# Allegro board OPT8241-CDK-EVM SB REV2P0V1.brd (continued)
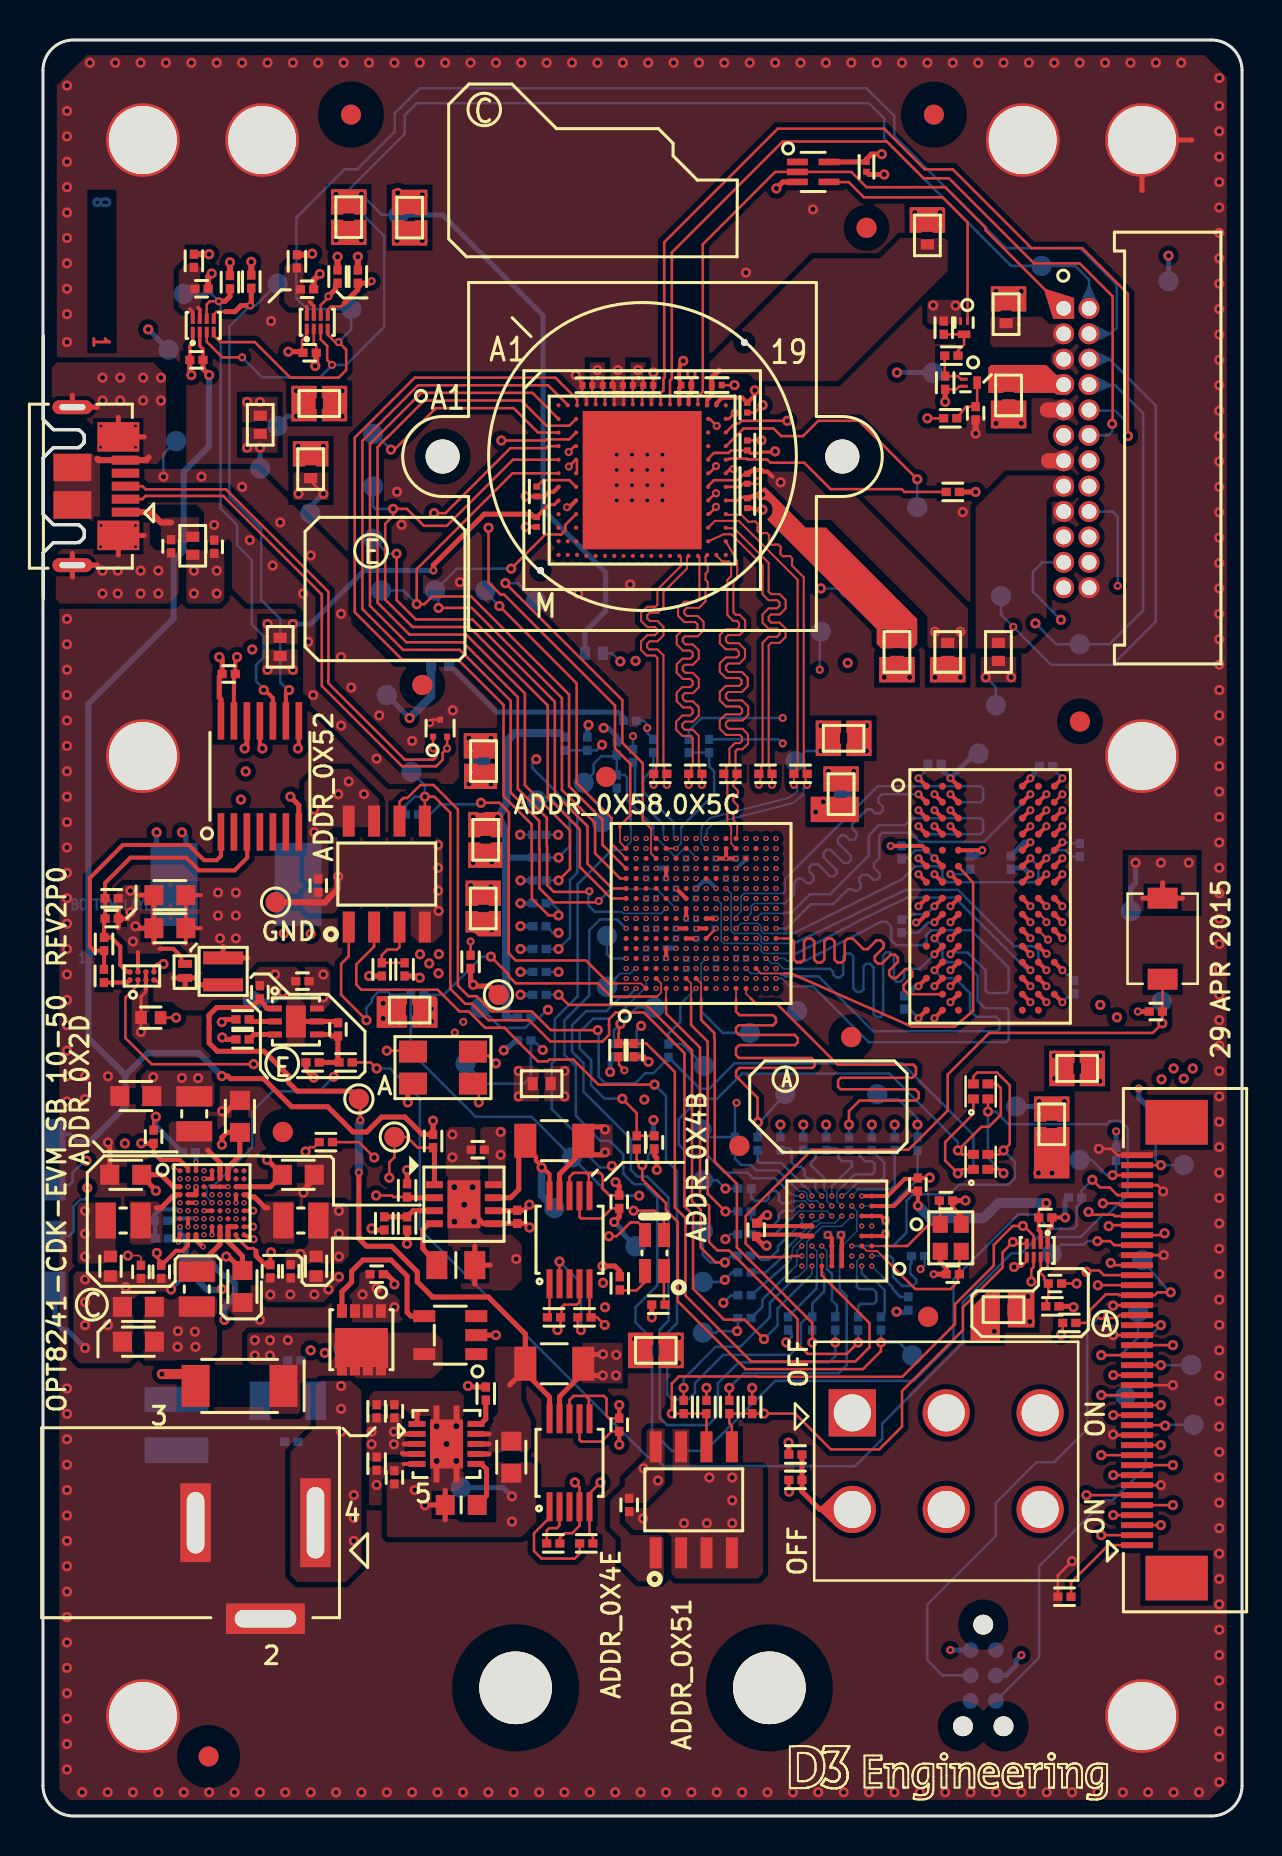
[diagram p0: board, top side]
## Footprints (pads in the part's own frame, mm; a bottom-side part is the same pattern mirrored in y, then rotated)
1051640001
  rect 0.45x1.38 smd: 1(1.3,4.11) 2(0.65,4.11) 3(0,4.11) 4(-0.65,4.11) 5(-1.3,4.11)
  rect 1.475x2.1 smd: 6(-2.463,3.75) 11(2.463,3.75)
  oval 0.7x2 hole 0.3x1.3: 7(-3.95,1.45) 10(3.95,1.45)
  rect 1.375x1.9 smd: 8(-0.938,1.45) 9(0.938,1.45)
BGA56C50P8X8_500X500X100A_CUS
  round 0.254 smd: 1A(-1.75,1.75) 1B(-1.75,1.25) 1C(-1.75,0.75) 1D(-1.75,0.25) 1E(-1.75,-0.25) 1F(-1.75,-0.75) 1G(-1.75,-1.25) 1H(-1.75,-1.75) 2A(-1.25,1.75) 2B(-1.25,1.25) 2C(-1.25,0.75) 2D(-1.25,0.25) 2E(-1.25,-0.25) 2F(-1.25,-0.75) 2G(-1.25,-1.25) 2H(-1.25,-1.75) 3A(-0.75,1.75) 3B(-0.75,1.25) 3C(-0.75,0.75) 3F(-0.75,-0.75) 3G(-0.75,-1.25) 3H(-0.75,-1.75) 4A(-0.25,1.75) 4B(-0.25,1.25) 4C(-0.25,0.75) 4F(-0.25,-0.75) 4G(-0.25,-1.25) 4H(-0.25,-1.75) 5A(0.25,1.75) 5B(0.25,1.25) 5C(0.25,0.75) 5F(0.25,-0.75) 5G(0.25,-1.25) 5H(0.25,-1.75) 6A(0.75,1.75) 6B(0.75,1.25) 6C(0.75,0.75) 6F(0.75,-0.75) 6G(0.75,-1.25) 6H(0.75,-1.75) 7A(1.25,1.75) 7B(1.25,1.25) 7C(1.25,0.75) 7D(1.25,0.25) 7E(1.25,-0.25) 7F(1.25,-0.75) 7G(1.25,-1.25) 7H(1.25,-1.75) 8A(1.75,1.75) 8B(1.75,1.25) 8C(1.75,0.75) 8D(1.75,0.25) 8E(1.75,-0.25) 8F(1.75,-0.75) 8G(1.75,-1.25) 8H(1.75,-1.75)
BGA81C40P9X9_360X360X63A
  round 0.254 smd: A1(-1.6,1.6) A2(-1.2,1.6) A3(-0.8,1.6) A4(-0.4,1.6) A5(0,1.6) A6(0.4,1.6) A7(0.8,1.6) A8(1.2,1.6) A9(1.6,1.6) B1(-1.6,1.2) B2(-1.2,1.2) B3(-0.8,1.2) B4(-0.4,1.2) B5(0,1.2) B6(0.4,1.2) B7(0.8,1.2) B8(1.2,1.2) B9(1.6,1.2) C1(-1.6,0.8) C2(-1.2,0.8) C3(-0.8,0.8) C4(-0.4,0.8) C5(0,0.8) C6(0.4,0.8) C7(0.8,0.8) C8(1.2,0.8) C9(1.6,0.8) D1(-1.6,0.4) D2(-1.2,0.4) D3(-0.8,0.4) D4(-0.4,0.4) D5(0,0.4) D6(0.4,0.4) D7(0.8,0.4) D8(1.2,0.4) D9(1.6,0.4) E1(-1.6,0) E2(-1.2,0) E3(-0.8,0) E4(-0.4,0) E5(0,0) E6(0.4,0) E7(0.8,0) E8(1.2,0) E9(1.6,0) F1(-1.6,-0.4) F2(-1.2,-0.4) F3(-0.8,-0.4) F4(-0.4,-0.4) F5(0,-0.4) F6(0.4,-0.4) F7(0.8,-0.4) F8(1.2,-0.4) F9(1.6,-0.4) G1(-1.6,-0.8) G2(-1.2,-0.8) G3(-0.8,-0.8) G4(-0.4,-0.8) G5(0,-0.8) G6(0.4,-0.8) G7(0.8,-0.8) G8(1.2,-0.8) G9(1.6,-0.8) H1(-1.6,-1.2) H2(-1.2,-1.2) H3(-0.8,-1.2) H4(-0.4,-1.2) H5(0,-1.2) H6(0.4,-1.2) H7(0.8,-1.2) H8(1.2,-1.2) H9(1.6,-1.2) J1(-1.6,-1.6) J2(-1.2,-1.6) J3(-0.8,-1.6) J4(-0.4,-1.6) J5(0,-1.6) J6(0.4,-1.6) J7(0.8,-1.6) J8(1.2,-1.6) J9(1.6,-1.6)
BGA84N80P6X15_1250X800X120
  round 0.35 smd: A1(-3.2,5.6) A2(-2.4,5.6) A3(-1.6,5.6) A7(1.6,5.6) A8(2.4,5.6) A9(3.2,5.6) B1(-3.2,4.8) B2(-2.4,4.8) B3(-1.6,4.8) B7(1.6,4.8) B8(2.4,4.8) B9(3.2,4.8) C1(-3.2,4) C2(-2.4,4) C3(-1.6,4) C7(1.6,4) C8(2.4,4) C9(3.2,4) D1(-3.2,3.2) D2(-2.4,3.2) D3(-1.6,3.2) D7(1.6,3.2) D8(2.4,3.2) D9(3.2,3.2) E1(-3.2,2.4) E2(-2.4,2.4) E3(-1.6,2.4) E7(1.6,2.4) E8(2.4,2.4) E9(3.2,2.4) F1(-3.2,1.6) F2(-2.4,1.6) F3(-1.6,1.6) F7(1.6,1.6) F8(2.4,1.6) F9(3.2,1.6) G1(-3.2,0.8) G2(-2.4,0.8) G3(-1.6,0.8) G7(1.6,0.8) G8(2.4,0.8) G9(3.2,0.8) H1(-3.2,0) H2(-2.4,0) H3(-1.6,0) H7(1.6,0) H8(2.4,0) H9(3.2,0) J1(-3.2,-0.8) J2(-2.4,-0.8) J3(-1.6,-0.8) J7(1.6,-0.8) J8(2.4,-0.8) J9(3.2,-0.8) K2(-2.4,-1.6) K3(-1.6,-1.6) K7(1.6,-1.6) K8(2.4,-1.6) K9(3.2,-1.6) L1(-3.2,-2.4) L2(-2.4,-2.4) L3(-1.6,-2.4) L7(1.6,-2.4) L8(2.4,-2.4) M2(-2.4,-3.2) M3(-1.6,-3.2) M7(1.6,-3.2) M8(2.4,-3.2) M9(3.2,-3.2) N1(-3.2,-4) N2(-2.4,-4) N3(-1.6,-4) N7(1.6,-4) N8(2.4,-4) P2(-2.4,-4.8) P3(-1.6,-4.8) P7(1.6,-4.8) P8(2.4,-4.8) P9(3.2,-4.8) R1(-3.2,-5.6) R2(-2.4,-5.6) R3(-1.6,-5.6) R7(1.6,-5.6) R8(2.4,-5.6)
BGA256C50P16X16_900X900X120A
  round 0.254 smd: A1(-3.75,3.75) A2(-3.25,3.75) A3(-2.75,3.75) A4(-2.25,3.75) A5(-1.75,3.75) A6(-1.25,3.75) A7(-0.75,3.75) A8(-0.25,3.75) A9(0.25,3.75) A10(0.75,3.75) A11(1.25,3.75) A12(1.75,3.75) A13(2.25,3.75) A14(2.75,3.75) A15(3.25,3.75) A16(3.75,3.75) B1(-3.75,3.25) B2(-3.25,3.25) B3(-2.75,3.25) B4(-2.25,3.25) B5(-1.75,3.25) B6(-1.25,3.25) B7(-0.75,3.25) B8(-0.25,3.25) B9(0.25,3.25) B10(0.75,3.25) B11(1.25,3.25) B12(1.75,3.25) B13(2.25,3.25) B14(2.75,3.25) B15(3.25,3.25) B16(3.75,3.25) C1(-3.75,2.75) C2(-3.25,2.75) C3(-2.75,2.75) C4(-2.25,2.75) C5(-1.75,2.75) C6(-1.25,2.75) C7(-0.75,2.75) C8(-0.25,2.75) C9(0.25,2.75) C10(0.75,2.75) C11(1.25,2.75) C12(1.75,2.75) C13(2.25,2.75) C14(2.75,2.75) C15(3.25,2.75) C16(3.75,2.75) D1(-3.75,2.25) D2(-3.25,2.25) D3(-2.75,2.25) D4(-2.25,2.25) D5(-1.75,2.25) D6(-1.25,2.25) D7(-0.75,2.25) D8(-0.25,2.25) D9(0.25,2.25) D10(0.75,2.25) D11(1.25,2.25) D12(1.75,2.25) D13(2.25,2.25) D14(2.75,2.25) D15(3.25,2.25) D16(3.75,2.25) E1(-3.75,1.75) E2(-3.25,1.75) E3(-2.75,1.75) E4(-2.25,1.75) E5(-1.75,1.75) E6(-1.25,1.75) E7(-0.75,1.75) E8(-0.25,1.75) E9(0.25,1.75) E10(0.75,1.75) E11(1.25,1.75) E12(1.75,1.75) E13(2.25,1.75) E14(2.75,1.75) E15(3.25,1.75) E16(3.75,1.75) F1(-3.75,1.25) F2(-3.25,1.25) F3(-2.75,1.25) F4(-2.25,1.25) F5(-1.75,1.25) F6(-1.25,1.25) F7(-0.75,1.25) F8(-0.25,1.25) F9(0.25,1.25) F10(0.75,1.25) F11(1.25,1.25) F12(1.75,1.25) F13(2.25,1.25) F14(2.75,1.25) F15(3.25,1.25) F16(3.75,1.25) G1(-3.75,0.75) G2(-3.25,0.75) G3(-2.75,0.75) G4(-2.25,0.75) G5(-1.75,0.75) G6(-1.25,0.75) G7(-0.75,0.75) G8(-0.25,0.75) G9(0.25,0.75) G10(0.75,0.75) G11(1.25,0.75) G12(1.75,0.75) G13(2.25,0.75) G14(2.75,0.75) G15(3.25,0.75) G16(3.75,0.75) H1(-3.75,0.25) H2(-3.25,0.25) H3(-2.75,0.25) H4(-2.25,0.25) H5(-1.75,0.25) H6(-1.25,0.25) H7(-0.75,0.25) H8(-0.25,0.25) H9(0.25,0.25) H10(0.75,0.25) H11(1.25,0.25) H12(1.75,0.25) H13(2.25,0.25) H14(2.75,0.25) H15(3.25,0.25) H16(3.75,0.25) J1(-3.75,-0.25) J2(-3.25,-0.25) J3(-2.75,-0.25) J4(-2.25,-0.25) J5(-1.75,-0.25) J6(-1.25,-0.25) J7(-0.75,-0.25) J8(-0.25,-0.25) J9(0.25,-0.25) J10(0.75,-0.25) J11(1.25,-0.25) J12(1.75,-0.25) J13(2.25,-0.25) J14(2.75,-0.25) J15(3.25,-0.25) J16(3.75,-0.25) K1(-3.75,-0.75) K2(-3.25,-0.75) K3(-2.75,-0.75) K4(-2.25,-0.75) K5(-1.75,-0.75) K6(-1.25,-0.75) K7(-0.75,-0.75) K8(-0.25,-0.75) K9(0.25,-0.75) K10(0.75,-0.75) K11(1.25,-0.75) K12(1.75,-0.75) K13(2.25,-0.75) K14(2.75,-0.75) K15(3.25,-0.75) K16(3.75,-0.75) L1(-3.75,-1.25) L2(-3.25,-1.25) L3(-2.75,-1.25) L4(-2.25,-1.25) L5(-1.75,-1.25) L6(-1.25,-1.25) L7(-0.75,-1.25) L8(-0.25,-1.25) L9(0.25,-1.25) L10(0.75,-1.25) L11(1.25,-1.25) L12(1.75,-1.25) L13(2.25,-1.25) L14(2.75,-1.25) L15(3.25,-1.25) L16(3.75,-1.25) M1(-3.75,-1.75) M2(-3.25,-1.75) M3(-2.75,-1.75) M4(-2.25,-1.75) M5(-1.75,-1.75) M6(-1.25,-1.75) M7(-0.75,-1.75) M8(-0.25,-1.75) M9(0.25,-1.75) M10(0.75,-1.75) M11(1.25,-1.75) M12(1.75,-1.75) M13(2.25,-1.75) M14(2.75,-1.75) M15(3.25,-1.75) M16(3.75,-1.75) N1(-3.75,-2.25) N2(-3.25,-2.25) N3(-2.75,-2.25) N4(-2.25,-2.25) N5(-1.75,-2.25) N6(-1.25,-2.25) N7(-0.75,-2.25) N8(-0.25,-2.25) N9(0.25,-2.25) N10(0.75,-2.25) N11(1.25,-2.25) N12(1.75,-2.25) N13(2.25,-2.25) N14(2.75,-2.25) N15(3.25,-2.25) N16(3.75,-2.25) P1(-3.75,-2.75) P2(-3.25,-2.75) P3(-2.75,-2.75) P4(-2.25,-2.75) P5(-1.75,-2.75) P6(-1.25,-2.75) P7(-0.75,-2.75) P8(-0.25,-2.75) P9(0.25,-2.75) P10(0.75,-2.75) P11(1.25,-2.75) P12(1.75,-2.75) P13(2.25,-2.75) P14(2.75,-2.75) P15(3.25,-2.75) P16(3.75,-2.75) R1(-3.75,-3.25) R2(-3.25,-3.25) R3(-2.75,-3.25) R4(-2.25,-3.25) R5(-1.75,-3.25) R6(-1.25,-3.25) R7(-0.75,-3.25) R8(-0.25,-3.25) R9(0.25,-3.25) R10(0.75,-3.25) R11(1.25,-3.25) R12(1.75,-3.25) R13(2.25,-3.25) R14(2.75,-3.25) R15(3.25,-3.25) R16(3.75,-3.25) T1(-3.75,-3.75) T2(-3.25,-3.75) T3(-2.75,-3.75) T4(-2.25,-3.75) T5(-1.75,-3.75) T6(-1.25,-3.75) T7(-0.75,-3.75) T8(-0.25,-3.75) T9(0.25,-3.75) T10(0.75,-3.75) T11(1.25,-3.75) T12(1.75,-3.75) T13(2.25,-3.75) T14(2.75,-3.75) T15(3.25,-3.75) T16(3.75,-3.75)
CC0201
  rect 0.46x0.42 smd: 1(-0.33,0) 2(0.33,0)
CC0402
  rect 0.58x0.66 smd: 1(-0.49,0) 2(0.49,0)
CC0603
  rect 0.95x1 smd: 1(-0.8,0) 2(0.8,0)
CT7360-20
  rect 2.35x4.15 smd: 1(-3.1,0) 2(3.1,0)
DC005A
  rect 3.937x1.524 hole 3.076x0.876: 2(11,-4.8)
  rect 1.524x3.937 hole 0.876x3.076: 3(7.5,0)
  rect 1.524x4.445 hole 0.876x3.576: 4(13.5,0)
DFN100X60X35-3N
  rect 0.38x0.15 smd: 1(-0.33,0.175) 2(-0.33,-0.175)
  rect 0.38x0.63 smd: 3(0.33,0)
DIO_SOD128
  rect 1.4x2.1 smd: 1(-2.2,0) 2(2.2,0)
DIO_SOD882
  rect 0.4x0.7 smd: A(0.35,0) K(-0.35,0)
EXB-24VR000X
  rect 0.55x0.45 smd: 1(-0.363,-0.375) 2(0.363,-0.375) 3(0.363,0.375) 4(-0.363,0.375)
INA226
  rect 1.45x0.3 smd: 1(-2.2,1) 2(-2.2,0.5) 3(-2.2,0) 4(-2.2,-0.5) 5(-2.2,-1) 6(2.2,-1) 7(2.2,-0.5) 8(2.2,0) 9(2.2,0.5) 10(2.2,1)
IND_VLS2012E
  rect 0.65x2 smd: 1(-0.675,0) 2(0.675,0)
INDC0402
  rect 0.51x0.66 smd: 1(-0.45,0) 2(0.45,0)
INDC0805
  rect 1.016x1.8 smd: 1(-0.875,0) 2(0.875,0)
INDC1206
  rect 1.02x1.93 smd: 1(-1.4,0) 2(1.4,0)
LED_APHBM2012QBDSURKC
  rect 1.2x0.6 smd: 1(0.9,0.475) 2(-0.9,0.475) 3(-0.9,-0.475) 4(0.9,-0.475)
LED_CLVBA-FKA-CAEDH8BBB7A363
  rect 1.4x1.1 smd: 1(-1.5,0.8) 2(-1.5,-0.8) 3(1.5,-0.8) 4(1.5,0.8)
LMR70503_DSBGA
  round 0.279 smd: A1(-0.2,0.6) A2(0.2,0.6) B1(-0.2,0.2) B2(0.2,0.2) C1(-0.2,-0.2) C2(0.2,-0.2) D1(-0.2,-0.6) D2(0.2,-0.6)
NPTH_118
  round 3.683 hole 3.404: 1(0,0)
OPT8241_DS_2V4
  round 0.21 smd: (-3.72,-3.06) A1(-4.185,3.74) A2(-3.72,3.74) A3(-3.255,3.74) A4(-2.79,3.79) A5(-2.325,3.79) A6(-1.86,3.79) A7(-1.395,3.79) A8(-0.93,3.79) A9(-0.465,3.79) A10(0,3.79) A11(0.465,3.79) A12(0.93,3.79) A13(1.395,3.79) A14(1.86,3.79) A15(2.325,3.79) A16(2.79,3.79) A17(3.255,3.74) A18(3.72,3.74) A19(4.185,3.74) B1(-4.185,3.06) B3(-3.305,3.06) B17(3.305,3.06) B19(4.185,3.06) C1(-4.185,2.38) C3(-3.305,2.38) C17(3.305,2.38) C19(4.185,2.38) D1(-4.185,1.7) D3(-3.305,1.7) D17(3.305,1.7) D19(4.185,1.7) E1(-4.185,1.02) E3(-3.305,1.02) E17(3.305,1.02) E19(4.185,1.02) F1(-4.185,0.34) F3(-3.305,0.34) F17(3.305,0.34) F19(4.185,0.34) G1(-4.185,-0.34) G3(-3.305,-0.34) G17(3.305,-0.34) G19(4.185,-0.34) H1(-4.185,-1.02) H3(-3.305,-1.02) H17(3.305,-1.02) H19(4.185,-1.02) J1(-4.185,-1.7) J3(-3.305,-1.7) J17(3.305,-1.7) J19(4.185,-1.7) K1(-4.185,-2.38) K3(-3.305,-2.38) K17(3.305,-2.38) K19(4.185,-2.38) L1(-4.185,-3.06) L3(-3.305,-3.06) L17(3.305,-3.06) L19(4.185,-3.06) M1(-4.185,-3.74) M2(-3.72,-3.74) M3(-3.255,-3.74) M4(-2.79,-3.79) M5(-2.325,-3.79) M6(-1.86,-3.79) M7(-1.395,-3.79) M8(-0.93,-3.79) M9(-0.465,-3.79) M10(0,-3.79) M11(0.465,-3.79) M12(0.93,-3.79) M13(1.395,-3.79) M14(1.86,-3.79) M15(2.325,-3.79) M16(2.79,-3.79) M17(3.255,-3.74) M18(3.72,-3.74) M19(4.185,-3.74)
  rect 5.95x6.913 smd: (0,0)
P_CC0201
  rect 0.305x0.33 smd: 1(-0.247,0) 2(0.247,0)
PCA9306DQER
  rect 0.2x0.53 smd: 1(-0.525,-0.335) 2(-0.175,-0.335) 3(0.175,-0.335) 4(0.525,-0.335) 5(0.525,0.335) 6(0.175,0.335) 7(-0.175,0.335) 8(-0.525,0.335)
R0201
  rect 0.46x0.42 smd: 1(-0.33,0) 2(0.33,0)
R0603
  rect 0.95x1 smd: 1(-0.8,0) 2(0.8,0)
R0805
  rect 1.05x1.4 smd: 1(-0.95,0) 2(0.95,0)
R1206
  rect 1.1x1.7 smd: 1(-1.45,0) 2(1.45,0)
SAMTEC_SHF-112-01-L-D-RA
  rect 1.05x1.05 hole 0.74: 1(0,0)
  round 1.05 hole 0.74: 2(0,1.27) 3(1.27,0) 4(1.27,1.27) 5(2.54,0) 6(2.54,1.27) 7(3.81,0) 8(3.81,1.27) 9(5.08,0) 10(5.08,1.27) 11(6.35,0) 12(6.35,1.27) 13(7.62,0) 14(7.62,1.27) 15(8.89,0) 16(8.89,1.27) 17(10.16,0) 18(10.16,1.27) 19(11.43,0) 20(11.43,1.27) 21(12.7,0) 22(12.7,1.27) 23(13.97,0) 24(13.97,1.27)
SAMTEC_TSM-102-01-T-SH
  rect 1.27x3.18 smd: 1(1.27,5.08) 2(-1.27,5.08)
SOIC127P600X175-8N
  rect 1.549x0.599 smd: 1(-2.65,1.905) 2(-2.65,0.635) 3(-2.65,-0.635) 4(-2.65,-1.905) 5(2.65,-1.905) 6(2.65,-0.635) 7(2.65,0.635) 8(2.65,1.905)
SON6
  rect 0.3x0.7 smd: 1(-0.65,-1.05) 2(0,-1.05) 3(0.65,-1.05) 4(0.65,1.05) 5(0,1.05) 6(-0.65,1.05)
  rect 1.6x1 smd: 7(0,0)
SON_CSD17578Q3A
  rect 0.68x0.5 smd: 1(-1.435,0.975) 2(-1.435,0.325) 3(-1.435,-0.325) 4(-1.435,-0.975) 5(1.435,-0.975) 6(1.435,-0.325) 7(1.435,0.325) 8(1.435,0.975)
SOP65P580X120-14
  rect 1.88x0.33 smd: 1(-2.777,1.95) 2(-2.777,1.3) 3(-2.777,0.65) 4(-2.777,0) 5(-2.777,-0.65) 6(-2.777,-1.3) 7(-2.777,-1.95) 8(2.777,-1.95) 9(2.777,-1.3) 10(2.777,-0.65) 11(2.777,0) 12(2.777,0.65) 13(2.777,1.3) 14(2.777,1.95)
SOT35P100X50-3N
  rect 0.3x0.3 smd: 1(-0.425,0.35) 2(-0.425,-0.35) 3(0.425,0)
SOT553
  rect 0.33x1.041 smd: 1(-0.5,-0.792) 2(0,-0.792) 3(0.5,-0.792) 4(0.5,0.792) 5(-0.5,0.792)
SOT-23-5
  rect 1.1x0.6 smd: 1(-1.3,0.95) 2(-1.3,0) 3(-1.3,-0.95) 4(1.3,-0.95) 5(1.3,0.95)
T521001
  rect 2.362x2.362 hole 1.854: 1(-4.7,2.415)
  round 2.362 hole 1.854: 2(0,2.415) 3(4.7,2.415) 4(-4.7,-2.415) 5(0,-2.415) 6(4.7,-2.415)
TAG-CONNECT_TC2030-IDC-NL
  round 0.991 hole 0.991 unplated: (-2.54,0) (2.54,-1.015) (2.54,1.015)
  round 0.787 smd: 1(-1.27,-0.635) 2(-1.27,0.635) 3(0,-0.635) 4(0,0.635) 5(1.27,-0.635) 6(1.27,0.635)
TL1015
  rect 1.05x1.5 smd: 1(-2.025,0) 2(2.025,0)
TP_20MIL_4
  rect 1.524x1.016 smd: 1(0,0) 2(2.54,0) 3(5.08,0) 4(7.62,0)
TP_40MIL
  round 1.016 smd: 1(0,0)
TPS2115A
  rect 0.85x0.35 smd: 1(-1.475,0.975) 2(-1.475,0.325) 3(-1.475,-0.325) 4(-1.475,-0.975) 5(1.475,-0.975) 6(1.475,-0.325) 7(1.475,0.325) 8(1.475,0.975)
  rect 1.65x2.4 smd: 9(0,0)
TPS2559
  rect 0.3x0.85 smd: 1(-1,-1.475) 2(-0.5,-1.475) 3(0,-1.475) 4(0.5,-1.475) 5(1,-1.475) 6(1,1.475) 7(0.5,1.475) 8(0,1.475) 9(-0.5,1.475) 10(-1,1.475)
  custom 3.85x1.65 smd: 11(0,0)
unnamed#2
  round 1.016 smd: (0,0)
unnamed#3
  round 1.702 hole 1.702 unplated: (-10,0) (10,0)
unnamed#4
  round 0.35 hole 0.6 unplated: (-5.1,-5.7) (5.1,5.7)
unnamed#5
  round 3.632 hole 3.632 unplated: (5.079,6.349) (17.779,6.349)
XTAL200X160X55
  rect 0.75x0.85 smd: 1(-0.525,0.675) 2(-0.525,-0.675) 3(0.525,-0.675) 4(0.525,0.675)
ZF5S-40-01-T-WT
  rect 2.24x3.12 smd: (-11.4,3.25) (11.394,3.25)
  rect 0.3x1.6 smd: 1(-9.75,5.23) 2(-9.25,5.23) 3(-8.75,5.23) 4(-8.25,5.23) 5(-7.75,5.23) 6(-7.25,5.23) 7(-6.75,5.23) 8(-6.25,5.23) 9(-5.75,5.23) 10(-5.25,5.23) 11(-4.75,5.23) 12(-4.25,5.23) 13(-3.75,5.23) 14(-3.25,5.23) 15(-2.75,5.23) 16(-2.25,5.23) 17(-1.75,5.23) 18(-1.25,5.23) 19(-0.75,5.23) 20(-0.25,5.23) 21(0.25,5.23) 22(0.75,5.23) 23(1.25,5.23) 24(1.75,5.23) 25(2.25,5.23) 26(2.75,5.23) 27(3.25,5.23) 28(3.75,5.23) 29(4.25,5.23) 30(4.75,5.23) 31(5.25,5.23) 32(5.75,5.23) 33(6.25,5.23) 34(6.75,5.23) 35(7.25,5.23) 36(7.75,5.23) 37(8.25,5.23) 38(8.75,5.23) 39(9.25,5.23) 40(9.75,5.23)

## Nets
GND: C1.2 C2.2 C5.2 C6.2 C7.2 C14.2 C16.1 C19.1 C20.2 C25.2 C26.2 C30.2 C31.2 C46.2 C87.2 J1.5(15) J1.9(17) J1.13(19) J1.17(21) J1.24(12) J2.7 J2.12 J2.17 J2.22 J2.25 J2.30 J2.37 J2.40 J3.2 J3.3 J5.2 L1.2 MH1.1 MH2.1 MH3.1 MH4.1 MH5.1 MH6.1 MH7.1 MH8.1 R46.2 U3.A4(GND#A4) U3.A7(GND#A7) U3.A8(GND#A8) U3.A11(GND#A11) U4.5(GND) U4.6(SHIELD1) U4.7(SHIELD2) U4.8(SHIELD3) U4.9(SHIELD4) U4.10(SHIELD5) U4.11(SHIELD6) U9.C1(GND#C1) U9.C2(GND#C2) U11.A5(PGND4#A5) U11.B4(VDCDC4_GND) U11.B5(PGND4#B5) U11.E1(PGND3) U11.E9(PGND2) U11.H5(PGND1) U11.J5(PGDN1)
GND_SIGNAL: C3.2 C4.2 C8.2 C9.2 C10.2 C11.2 C12.2 C13.2 C15.2 C17.2 C21.2 C22.2 C23.2 C24.2 C27.2 C28.2 C29.2 C32.2 C33.1 C34.2 C35.2 C36.2 C37.2 C38.2 C39.2 C40.2 C41.2 C42.2 C43.2 C44.1 C45.2 C47.2 C48.2 C49.2 C50.2 C51.2 C52.2 C53.2 C54.2 C55.2 C56.2 C57.2 C58.2 C59.2 C60.2 C61.2 C62.2 C63.2 C64.2 C65.2 C66.2 C67.2 C68.2 C69.2 C70.2 C71.2 C72.2 C73.2 C74.2 C75.2 C76.2 C77.2 C78.2 C79.2 C80.2 C81.2 C82.2 C83.2 C84.2 C85.2 C86.2 C88.2 C89.2 C90.2 C91.2 C92.2 C93.2 C94.2 C95.2 C96.2 D4.2(ANODE) J4.4 J6.3(5) R12.1 R14.1 R23.2 R24.2 R26.1 R39.1 R43.1 R48.1 R52.2 R62.2 R64.1 R76.2 R98.2 R107.2 R108.2 SW1.1 SW2.1(NC1) TP37.1 TP38.1 TP39.1 TP40.1 TP41.1 TP42.1 TP43.1 TP44.1 TP45.1 TP46.1 U3.A15(GND#A15) U3.E3(AVSS#E3) U3.F3(REFM) U3.F17(AVSS_PLL) U3.G1(IOVSS) U3.G19(DVSS) U3.H3(AVSS#H3) U3.H17(AVSS#H17) U5.3(GND) U6.4(GND) U7.A3(VSS#A3) U7.A7(VSSQ#A7) U7.B2(VSSQ#B2) U7.B8(VSSQ#B8) U7.D2(VSSQ#D2) U7.D8(VSSQ#D8) U7.E3(VSS#E3) U7.E7(VSSQ#E7) U7.F2(VSSQ#F2) U7.F8(VSSQ#F8) U7.H2(VSSQ#H2) U7.H8(VSSQ#H8) U7.J3(VSS#J3) U7.J7(VSSDL) U7.N1(VSS#N1) U7.P9(VSS#P9) U8.A8(RSVD_IN12) U8.A9(RSVD_IN10) U8.B2(GND#B2) U8.B8(RSVD_IN13) U8.B9(RSVD_IN11) U8.B15(GND#B15) U8.C5(GND#C5) U8.C12(GND#C12) U8.D7(GND#D7) U8.D10(GND#D10) U8.E2(GND#E2) U8.E4(GND#E4) U8.E5(GNDA3) U8.E12(GNDA2) U8.E13(GND#E13) U8.F6(GND#F6) U8.F10(GND#F10) U8.G4(GND#G4) U8.G13(GND#G13) U8.H7(GND#H7) U8.H8(GND#H8) U8.H9(GND#H9) U8.H10(GND#H10) U8.H15(GND#H15) U8.H16(GND#H16) U8.J7(GND#J7) U8.J8(GND#J8) U8.J9(GND#J9) U8.J10(GND#J10) U8.J11(GND#J11) U8.K4(GND#K4) U8.K8(GND#K8) U8.K13(GND#K13) U8.M2(RSVD_IN1) U8.M4(GND#M4) U8.M5(GNDA1) U8.M12(GNDA4) U8.M13(GND#M13) U8.N7(GND#N7) U8.N10(GND#N10) U8.P5(GND#P5) U8.P12(GND#P12) U8.R2(GND#R2) U8.R8(RSVD_IN2) U8.R9(RSVD_IN5) U8.R15(GND#R15) U8.T8(RSVD_IN3) U8.T9(RSVD_IN4) U10.5(GND) U10.7(GND_1) U11.C2(EN_LS1) U11.C5(EN4/DCDC4_SEL) U11.C6(EN3/DCDC3_SEL) U11.C7(AGND#C7) U11.D8(EN2/DCDC2_SEL) U11.E2(CONFIG1) U11.E3(DGND) U11.E8(EN1/DCDC1_SEL) U11.F1(VINLDO4) U11.F3(AGND#F3) U11.F4(VCON_PWM) U11.F5(VCON_CLK) U11.G4(SLEEP/PWR_REQ) U11.G8(VINLDO5) U11.H4(VDCDC1_GND) U12.5(GND) U12.9(THM_GND) U13.1F(AGND#1F) U13.1H(GND#1H) U13.2F(AGND#2F) U13.2H(RESERVED) U13.4A(GND#4A) U13.4B(GND#4B) U13.4C(GND#4C) U13.7D(GND#7D) U13.8D(GND#8D) U14.7(GND) U15.1(GND) U16.1(GND) U16.11(PAD) U17.7(GND) U18.2(A1) U18.3(A2) U18.4(GND) U18.7(WP) U19.2(GND) U21.7(A2) U21.8(VSS) U21.11(GND) U21.13(A0) U22.1(GND) U23.1(GND) U24.3(GND) Y1.2 Y1.4
VCC_0V9: B13.1 R76.1 TP63.1 U11.A3(VLDO6)
VCC_1V2: B14.1 B18.1 C25.1 L2.2 TP61.1 U11.A4(VDCDCC4)
VCC_1V5: B26.1 C47.1 C48.1 L5.2 TP56.1 U11.J4(VDCDC1)
VCC_1V8: B9.1 B10.1 B11.1 B12.1 B19.1 B20.1 B23.1 C39.1 C41.1 L4.2 TP58.1 U11.D7(VDCDC2) U11.F7(VDDIO)
VCC_2V5: B15.1 B16.1 B17.1 TP62.1 U11.F9(VLDO3)
VCC_3V3: B3.1 B4.1 B27.1 C38.1 C43.1 L3.2 TP59.1 U11.F2(VDCDC3) U11.F8(VINLDO3) U11.J2(VINLDO1210)
VCC_5V0_ILLUM: J1.11(18) J1.19(22) J1.23(24) R33.1 U17.9(VIN-)
VCC_5V0_MAIN: C20.1 C26.1 C27.1 C30.1 C31.1 C34.1 C40.1 C46.1 C50.1 C96.1 D2.2(ANODE1) R19.1 R95.1 R96.2 R97.2 U9.D2(VIN) U11.A2(VINLDO67) U11.A7(VINDCDC4#A7) U11.B7(VINDCDC4#B7) U11.C1(VINDCDC3) U11.C8(VINDCDC_ANA) U11.C9(VINDCDC2) U11.D6(PWRHOLD_ON) U11.G2(VCCS/VIN_MON_1) U11.H2(VCCS/VIN_MON_2) U11.H7(VINDCDC1_1#H7) U11.H8(VINLDO8) U11.J7(VINDCDC1_1#J7) U11.J8(VINLDO9) U14.6(VS) U14.8(VBUS) U14.9(VIN-) U17.6(VS) U17.8(VBUS)
VCC_5V0_MINUS: B1.1 B7.1 C16.2 C18.1 C19.2 D1.A(ANODE) R10.1 TP51.1 U9.B2(VOUT)
VCC_5V0_MINUS_FSC: B1.2 R3.1 U2.2(SOURCE)
VCC_5V0_MINUS_ILLUM: B7.2 J1.7(16)
VCC_AVDD_OUT_3V3: B2.1 U11.H9(VLDO8)
VCC_DC_JACK: B24.2 C86.1 D4.1(CATHODE) J5.1 U19.5(VIN) U20.5(DRAIN5) U20.6(DRAIN6) U20.7(DRAIN7) U20.8(DRAIN8)
VCC_DC_JACK_5V_IN: C29.1 C49.1 C88.1 R17.2 R25.2 R34.2 R39.2 R41.2 R42.1 U12.8(IN1) U16.2(IN#2) U16.3(IN#3) U16.4(IN#4) U20.1(DRAIN) U20.2(SOURCE) U20.3(DRAIN3)
VCC_DDR2_0V9: B13.2 C72.1 U7.J2(VREF) U8.N12(DDR2_REF_3) U8.P6(DDR2_REF_1) U8.P11(DDR2_REF_2) U8.T3(DDR2_REF_0)
VCC_DDR2_1V8: B19.2 C54.1 C55.1 C56.1 C57.1 C59.1 C60.1 C80.1 C81.1 U7.A1(VDD#A1) U7.A9(VDDQ#A9) U7.C1(VDDQ#C1) U7.C3(VDDQ#C3) U7.C7(VDDQ#C7) U7.C9(VDDQ#C9) U7.E1(VDD#E1) U7.E9(VDDQ#E9) U7.G1(VDDQ#G1) U7.G3(VDDQ#G3) U7.G7(VDDQ#G7) U7.G9(VDDQ#G9) U7.J1(VDDL) U7.J9(VDD#J9) U7.M9(VDD#M9) U7.R1(VDD#R1)
VCC_FX2_1V8: B23.2 C32.1 C36.1 C37.1 C52.1 C84.1 C90.1 C92.1 J4.1 J6.2(3) R20.2 R36.2 R38.2 U13.1G(VCC#1G) U13.5A(VCC#5A) U13.5B(VCC#5B) U13.5C(VCC#5C) U13.7B(WAKEUP) U13.7E(VCC#7E) U13.8E(VCC#8E) U15.2(VREF1) U18.1(A0) U18.8(VCC) U22.2(VREF1) U23.2(VREF1)
VCC_FX2_AVCC_3V3: B21.2 C83.1 U13.1D(AVCC#1D) U13.2D(AVCC#2D)
VCC_I2C_3V3: B22.2 C95.1 R29.1 R92.2 R93.2 R94.1 R105.1 R106.1 U21.12(A1) U21.14(VDD)
VCC_ILLUM_5V: C22.1 C51.1 R33.2 TP55.1 U10.1(OUT) U16.7(OUT#7) U16.8(OUT#8) U16.9(OUT#9) U17.10(VIN+)
VCC_ILLUM_DRV_1V8: B12.2 J1.15(20)
VCC_ILLUM_DRV_3V3: B4.2 J1.3(14)
VCC_ILLUM_FB: B25.1 C93.1 R98.1 TP66.1 U11.H1(VLDO2)
VCC_ILLUM_FB_REF: B25.2 R103.1
VCC_ILLUM_VREF: R104.1 TP71.1 U11.J3(VLDO1)
VCC_LDO_1V8: B5.1 C85.1 TP65.1 U11.J1(VLDO10)
VCC_LDO_3V3: B21.1 B22.1 TP57.1 U11.J9(VLDO9)
VCC_LDOAO: C82.1 U11.C3(EN_LS0) U11.D2(CONFIG2) U11.D3(NPWRON) U11.E7(DEF_SPI_I2C) U11.G3(LDOAO)
VCC_MAIN_5V: R19.2 TP54.1 U12.7(OUT) U14.10(VIN+)
VCC_MIX: B26.2 C1.1 C2.1 C5.1 C6.1 U3.A5(VMIXH#A5) U3.A6(VMIXH#A6) U3.A9(VMIXH#A9) U3.A10(VMIXH#A10)
VCC_PVDD: B6.1 TP60.1 U11.A1(VLDO7)
VCC_SENSOR_AVDD_1V8: B11.2 C10.1 U3.D3(AVDD#D3) U3.G17(AVDD#G17)
VCC_SENSOR_AVDD_3V3: B2.2 C4.1 U3.A17(AVDDH)
VCC_SENSOR_DVDD_1V8: B10.2 C12.1 U3.F19(DVDD#F19) U3.H19(DVDD#H19)
VCC_SENSOR_DVDD_3V3: B3.2 C3.1 C94.1 R1.1 R27.1 R28.1 U1.2(SOURCE) U3.A14(DVDDH) U24.5(VCC)
VCC_SENSOR_IOVDD_1V8: B9.2 C13.1 R4.2 U3.H1(IOVDD)
VCC_SENSOR_PLL_1V8: B5.2 C8.1 U3.A18(AVDD_PLL)
VCC_SENSOR_PVDD: B6.2 C9.1 U3.E17(PVDD)
VCC_TFC_CONFIG: B16.2 R47.2 R53.2 R61.2
VCC_TFC_CORE_1V2: B18.2 C67.1 C68.1 C70.1 C71.1 C74.1 C75.1 U8.F7(VCCINT#F7) U8.F11(VCCINT#F11) U8.G6(VCCINT#G6) U8.G7(VCCINT#G7) U8.G8(VCCINT#G8) U8.G9(VCCINT#G9) U8.G10(VCCINT#G10) U8.H6(VCCINT#H6) U8.H11(VCCINT#H11) U8.J6(VCCINT#J6) U8.K7(VCCINT#K7) U8.K11(VCCINT#K11)
VCC_TFC_IOVDD_1V8: B20.2 C17.1 C62.1 C65.1 C69.1 C73.1 C76.1 C79.1 R13.1 R49.1 R54.2 R55.2 R56.2 R57.2 R58.1 R59.1 R65.2 R66.2 R109.1 U6.7(HOLDZ) U6.8(VCC) U8.A1(VCCIO8#A1) U8.A16(VCCIO7#A16) U8.C4(VCCIO8#C4) U8.C7(VCCIO8#C7) U8.C10(VCCIO7#C10) U8.C13(VCCIO7#C13) U8.E3(VCCIO1#E3) U8.G3(VCCIO1#G3) U8.K3(VCCIO2#K3) U8.M3(VCCIO2#M3) U8.P4(VCCIO3#P4) U8.P7(VCCIO3#P7) U8.P10(VCCIO4#P10) U8.P13(VCCIO4#P13) U8.T1(VCCIO3#T1) U8.T16(VCCIO4#T16)
VCC_TFC_IOVDD_2V5: B15.2 C58.1 C61.1 U8.K14(VCCIO5#K14) U8.L14(RSVD_IN6) U8.L15(RSVD_IN7) U8.M14(VCCIO5#M14)
VCC_TFC_IOVDD_3V3: B27.2 C63.1 U8.E14(VCCIO6#E14) U8.G14(VCCIO6#G14)
VCC_TFC_PLL_1V2: B14.2 C64.1 C78.1 U8.D4(VCCD_PLL3) U8.D13(VCCD_PLL2) U8.N4(VCCD_PLL1) U8.N13(VCCD_PLL4)
VCC_TFC_PLL_2V5: B17.2 C66.1 C77.1 U8.F5(VCCA3) U8.F12(VCCA2) U8.L5(VCCA1) U8.L12(VCCA4)
VCC_USB_5V_IN: B8.1 C15.1 C21.1 C35.1 R15.1 R40.1 U10.6(IN) U12.6(IN2)
CAP_BIT_CLK_0: R7.2 U3.M18(DCLKP) U8.M15(CAP_BIT_CLKP)
CAP_BIT_CLK_1: R7.1 U3.L19(DCLKM) U8.M16(CAP_BIT_CLKM)
CAP_DATA_DIFF_0_0: R6.1 U3.M16(DIFF0_P) U8.N15(CAP_DATA_DIFF_0P)
CAP_DATA_DIFF_0_1: R6.2 U3.M17(DIFF0_M) U8.N16(CAP_DATA_DIFF_0M)
CAP_DATA_DIFF_1_0: R8.2 U3.L17(DIFF1_P) U8.K15(CAP_DATA_DIFF_1P)
CAP_DATA_DIFF_1_1: R8.1 U3.K19(DIFF1_M) U8.K16(CAP_DATA_DIFF_1M)
CAP_DATA_SUM_0: R9.2 U3.K17(SUM_P) U8.J15(CAP_DATA_SUM_P)
CAP_DATA_SUM_1: R9.1 U3.J19(SUM_M) U8.J16(CAP_DATA_SUM_M)
CAP_FRM_CLK_0: R5.1 U3.M14(PCLK_P) U8.R16(CAP_FRM_CLKP)
CAP_FRM_CLK_1: R5.2 U3.M15(PCLK_M) U8.P16(CAP_FRM_CLKM)
COMP_MOD_FB: J1.16(8) R100.2
COMP_MOD_REF: J1.14(7) R102.2 R103.2
CONF_DONE: R50.1 U13.7F(PA3/WU2)
CTL2: RN1.3 RN2.4 U13.8H(CTL2/FLAGC)
DC_JACK_UNPLUG: R20.1 TP25.1 U12.1(STAT) U13.3B(PD4/FD[12])
DDR2_ADDR_0: U7.M8(A0) U8.L11(DDR2_ADDR_0)
DDR2_ADDR_1: U7.M3(A1) U8.L9(DDR2_ADDR_1)
DDR2_ADDR_2: U7.M7(A2) U8.K10(DDR2_ADDR_2)
DDR2_ADDR_3: U7.N2(A3) U8.K9(DDR2_ADDR_3)
DDR2_ADDR_4: U7.N8(A4) U8.M11(DDR2_ADDR_4)
DDR2_ADDR_5: U7.N3(A5) U8.M9(DDR2_ADDR_5)
DDR2_ADDR_6: U7.N7(A6) U8.L10(DDR2_ADDR_6)
DDR2_ADDR_7: U7.P2(A7) U8.T6(DDR2_ADDR_7)
DDR2_ADDR_8: U7.P8(A8) U8.N11(DDR2_ADDR_8)
DDR2_ADDR_9: U7.P3(A9) U8.P9(DDR2_ADDR_9)
DDR2_ADDR_10: U7.M2(A10) U8.N3(DDR2_ADDR_10)
DDR2_ADDR_11: U7.P7(A11) U8.M10(DDR2_ADDR_11)
DDR2_ADDR_12: U7.R2(A12) U8.T5(DDR2_ADDR_12)
DDR2_BA_0: U7.L2(BA0) U8.R4(DDR2_BA_0)
DDR2_BA_1: U7.L3(BA1) U8.T4(DDR2_BA_1)
DDR2_DATA_0: U7.H7(DQ2) U8.N5(DDR2_DQ_1)
DDR2_DATA_1: U7.H9(DQ5) U8.R5(DDR2_DQ_4)
DDR2_DATA_2: U7.H3(DQ3) U8.R3(DDR2_DQ_6)
DDR2_DATA_3: U7.G8(DQ0) U8.R6(DDR2_DQ_2)
DDR2_DATA_4: U7.G2(DQ1) U8.L7(DDR2_DQ_0)
DDR2_DATA_5: U7.H1(DQ4) U8.N6(DDR2_DQ_3)
DDR2_DATA_6: U7.F1(DQ6) U8.L8(DDR2_DQ_7)
DDR2_DATA_7: U7.F9(DQ7) U8.R7(DDR2_DQ_5)
DDR2_DATA_8: U7.C8(DQ8) U8.R12(DDR2_DQ_8)
DDR2_DATA_9: U7.B9(DQ15) U8.T14(DDR2_DQ_13)
DDR2_DATA_10: U7.D7(DQ10) U8.R11(DDR2_DQ_10)
DDR2_DATA_11: U7.B1(DQ14) U8.N8(DDR2_DQ_14)
DDR2_DATA_12: U7.D9(DQ13) U8.T13(DDR2_DQ_15)
DDR2_DATA_13: U7.D1(DQ12) U8.P8(DDR2_DQ_12)
DDR2_DATA_14: U7.D3(DQ11) U8.R10(DDR2_DQ_11)
DDR2_DATA_15: U7.C2(DQ9) U8.N9(DDR2_DQ_9)
DDR2_DM_0: U7.F3(LDM) U8.P3(DDR2_DM_0)
DDR2_DM_1: U7.B3(UDM) U8.M8(DDR2_DM_1)
DDR2_DQS_0: U7.F7(LDQS) U8.M7(DDR2_DQS_0)
DDR2_DQS_1: U7.B7(UDQS) U8.T7(DDR2_DQS_1)
DEMOD_CLK: TP6.1 U3.C19(DEMOD_CLK) U8.A14(SENSOR_DEMOD_CLK)
DM: U4.2(DM) U5.2(D-) U13.1E(DMINUS)
DP: U4.3(DP) U5.1(D+) U13.2E(DPLUS)
EN: C53.1 R41.1 SW2.2(COMMON1) U16.5(EN)
ENZ: R23.1 SW2.5(COMMON2) U12.2(ENZ)
ENZ1: C24.1 R17.1 R18.2 U10.4(EN)
EXT_I2C_SLV_SCL_3V3: J2.38 R105.2 TP47.1 U15.6(SCL2)
EXT_I2C_SLV_SDA_3V3: J2.39 R106.2 TP48.1 U15.5(SDA2)
EXT_TIC_CONF_DONE_OUT: J2.32 R49.2 R50.2 TP23.1 U8.H14(TIC_CONF_DONE)
EXT_TIC_CONFIGZ_IN: J2.35 R58.2 R67.2 TP21.1 U8.H5(TIC_CONFIGZ)
EXT_TIC_DATA_0_IN: J2.31 R86.2 TP18.1 U8.H2(TIC_DATA_0)
EXT_TIC_DCLK_IN: J2.29 R63.2 TP20.1 U8.H1(TIC_CLK)
EXT_TIC_INIT_DONE_OUT: J2.26 R32.2 TP29.1 U8.G16(TIC_INIT_DONE)
EXT_TIC_STATUSZ_OUT: J2.33 R59.2 R80.2 TP26.1 U8.F4(TIC_STATUSZ)
FSC: C7.1 R90.1 U2.3(DRAIN)
FX2_ADDR_0: R82.1 U13.6F(PA4/FIFOADR0)
FX2_ADDR_1: R84.1 U13.8C(PA5/FIFOADR1)
FX2_DQ_0: R74.2 U13.3H(PB0/FD[0])
FX2_DQ_1: R83.2 U13.4F(PB1/FD[1])
FX2_DQ_2: R73.2 U13.4H(PB2/FD[2])
FX2_DQ_3: R72.2 U13.4G(PB3/FD[3])
FX2_DQ_4: R71.2 U13.5H(PB4/FD[4])
FX2_DQ_5: R70.2 U13.5G(PB5/FD[5])
FX2_DQ_6: R79.2 U13.5F(PB6/FD[6])
FX2_DQ_7: R69.2 U13.6H(PB7/FD[7])
FX2_FLAG_0: R68.1 U13.7H(CTL0/FLAGA)
FX2_FLAG_1: R77.1 U13.7G(CTL1/FLAGB)
GPIO_0: TP11.1 U8.A4(GPIO_0)
GPIO_1: TP12.1 U8.B3(GPIO_1)
HA: R11.2 R91.1 U21.1(HA)
HD_QD: TP3.1 U3.D1(HD_QD) U8.A11(HD_QD)
I2C_AUX_SCL: J1.6(3) R56.1 TP67.1 U8.D8(I2C_MAS_SCL) U11.E5(SCL_AVS_CLKREQ1)
I2C_AUX_SDA: J1.8(4) R57.1 TP68.1 U8.C8(I2C_MAS_SDA) U11.E6(SDA_AVS_CLKREQ2)
I2C_SLV_SCL: J1.2(1) J2.23 J4.3 J6.5(4) R35.1 R36.1 TP49.1 U8.F1(I2C_SLV_SCL) U11.D5(SCL_CLK) U15.3(SCL1) U18.6(SCL) U22.3(SCL1) U23.3(SCL1)
I2C_SLV_SCL_3V3_POWER: R92.1 TP52.1 U21.10(SCL) U22.6(SCL2)
I2C_SLV_SCL_5V: R31.2 R45.2 R96.1 U14.5(SCL) U17.5(SCL) U23.6(SCL2)
I2C_SLV_SDA: J1.4(2) J2.24 J4.2 J6.4(2) R37.1 R38.1 TP50.1 U8.F2(I2C_SLV_SDA) U11.E4(SDA_MOSI) U15.4(SDA1) U18.5(SDA) U22.4(SDA1) U23.4(SDA1)
I2C_SLV_SDA_3V3_POWER: R93.1 TP53.1 U21.9(SDA) U22.5(SDA2)
I2C_SLV_SDA_5V: R30.2 R44.2 R97.1 U14.4(SDA) U17.4(SDA) U23.5(SDA2)
ILLUM_EN: J1.1(13) U3.A16(ILLUM_EN) U24.2(A)
ILLUM_ENZ: U1.1(GATE) U24.4(Y)
ILLUM_FB: J1.18(9) U8.B16(ILLUM_FB)
ILLUM_N: J1.12(6) R99.2 U3.A13(ILLUM_N)
ILLUM_P: J1.10(5) R101.2 U3.A12(ILLUM_P)
ILLUM_REF: J1.20(10) R104.2 U8.F13(ILLUM_REF)
ILLUM_SW_1: J1.22(11) U8.C16(ILLUM_SW_1)
ILLUM_SW_2: J1.21(23) U8.C15(ILLUM_SW_2)
INIT_DONE: R32.1 U13.3A(PD5/FD[13])
INT_PMIC: U8.G5(INT_PMIC) U11.G5(INT1)
LED_2: D3.3(CATHODE2) U8.A3(GPIO_2)
LED_3: D3.2(CATHODE1) U8.A2(GPIO_3)
MCLK: TP8.1 U3.B19(MCLK) U8.B14(SENSOR_CLK)
PD6: RN1.4 RN2.3 U13.3C(PD6/FD[14])
QPORT: R65.1 U8.D1(DEBUG)
SENS_GPO_0: U3.A2(GP0<0>) U8.F9(GPI_0)
SENS_GPO_1: U3.B1(GPO<1>) U8.E9(GPI_1)
SNS_ANA_TP1: TP35.1 U3.J17(TP1)
SNS_ANA_TP2: TP36.1 U3.D19(TP2)
SYS_RESETZ: C23.1 R21.2 SW1.2 TP14.1 U13.8B(RESET#)
TFC_DQ_OUT_0: J2.2 R74.1 U8.R1(OP_DATA_0)
TFC_DQ_OUT_1: J2.3 R83.1 U8.P1(OP_DATA_1)
TFC_DQ_OUT_2: J2.4 R73.1 U8.P2(OP_DATA_2)
TFC_DQ_OUT_3: J2.5 R72.1 U8.N1(OP_DATA_3)
TFC_DQ_OUT_4: J2.8 R71.1 U8.N2(OP_DATA_4)
TFC_DQ_OUT_5: J2.9 R70.1 U8.L1(OP_DATA_5)
TFC_DQ_OUT_6: J2.10 R79.1 U8.L2(OP_DATA_6)
TFC_DQ_OUT_7: J2.11 R69.1 U8.L4(OP_DATA_7)
TFC_RESETZ_SW: C28.1 R22.2 U8.C2(RESETZ)
TIC_C: R62.1 TP17.1 U8.H3(TIC_C)
TIC_CONFIGZ: R67.1 U13.6G(PA1/INT1#)
TIC_DCLK: R63.1 RN1.1 RN2.1 U6.6(CLK)
TIC_I: R61.1 TP13.1 U8.H4(TIC_I)
TIC_MISO: R86.1 U6.2(DO) U13.6B(PD2/FD[10])
TIC_O: TP16.1 U8.J4(TIC_O)
TIC_S: R53.1 TP10.1 U8.J5(TIC_S)
TIC_STATUSZ: R80.1 U13.8F(PA2/INT2#)
USB_NEGOTIATION_PASS: R18.1 RN1.2 RN2.2 U9.B1(EN)
VD_FR: TP4.1 U3.F1(VD-FR) U8.A13(VD_FR)
VD_QD: TP2.1 U3.E1(VD_QD) U8.A10(VD_QD)
VD_UF: TP5.1 U3.J3(VD_SF) U8.A12(VD_SF)
VLDO4: U11.G1(VLDO4)
VLDO5: U11.G9(VLDO5)
WA: C18.2 R10.2 R91.2 U9.A2(FB) U21.3(WA)
XTALIN: C33.2 U13.1C(XTALIN) Y1.1
XTALOUT: C44.2 U13.2C(XTALOUT) Y1.3
N00592: B8.2 C14.1 U4.1(VBUS)
N00796: B24.1 C87.1 J3.4
N22278: J2.1 R46.1
N40720: C45.1 R29.2 U15.7(VREF2) U15.8(EN)
N41327: U19.4(GATE) U20.4(GATE)
N16777535: L2.1 U11.A6(SW4_1) U11.B6(SW4_2)
N16777636: L4.1 U11.D9(SW2)
N16778473: L5.1 U11.H6(SW1_1) U11.J6(SW1_2)
N16783943: R47.1 R48.2 U8.H12(BOOT_1) U8.H13(BOOT_0)
N16785309: U7.K9(ODT) U8.T15(DDR2_ODT_0)
N16785377: U7.K8(CK#) U8.P14(DDR2_CLKZ_0)
N16785379: U7.J8(CK) U8.R14(DDR2_CLK_0)
N16785381: U7.K2(CKE) U8.T2(DDR2_CKE)
N16785447: U7.K3(WE#) U8.T10(DDR2_WEZ)
N16785449: U7.L7(CAS#) U8.T11(DDR2_CASZ)
N16785451: U7.K7(RAS#) U8.T12(DDR2_RASZ)
N16787457: U7.L8(CS#) U8.R13(DDR2_CSZ)
N16793109: D2.1(CATHODE1) U11.B3(LEDA/GPIO3)
N16793127: D2.3(CATHODE2) U11.B2(LEDB/GPIO4)
N16793135: D2.4(CATHODE3) U11.B1(LEDC/GPIO5)
N16794163: R81.1 U13.1B(RDY1/SLWR)
N16794179: R85.1 U13.7C(PA6/PKTEND)
N16794242: R88.1 U13.2B(CLKOUT)
N16795038: C42.1 U11.H3(VREF1V25)
N16845074: R4.1 U3.E19(QPORT)
N16845109: R90.2 U3.B17(FSC)
N16845129: C11.1 U3.G3(REFP)
N16845389: R2.1 R3.2 U2.1(GATE)
N16845433: R1.2 R2.2 U1.3(DRAIN)
N16870319: L3.1 U11.D1(SW3)
N16878227: R37.2 U13.3G(SDA)
N16878230: R35.2 U13.3F(SCL)
N16888310: R89.1 U13.2A(PD7/FD[15])
N16896816: D1.K(CATHODE) L1.1 U9.D1(SW)
N16897102: R11.1 U9.A1(VREF)
N16901644: R107.1 U13.1A(RDY0/SLRD)
N16913824: R26.2 U12.4(ILIM)
N16913873: R34.1 U16.10(FAULTZ)
N16913909: R43.2 U16.6(ILIM)
N16921390: R24.1 R25.1 U12.3(VSNS)
N16928983: R14.2 U10.2(ILIM)
N16929072: R15.2 U10.3(FAULTZ)
N16935702: R45.1 U17.1(A1)
N16935705: R44.1 U17.2(A0)
N16935741: R30.1 U14.1(A1)
N16935743: R31.1 U14.2(A0)
N16940304: R40.2 R42.2 SW2.4(NC2)
N16949841: C91.1 R95.2 U23.7(VREF2) U23.8(EN)
N16953566: C89.1 R94.2 U22.7(VREF2) U22.8(EN)
N16974592: R55.1 U3.A3(SDATA) U8.C9(I2C_SDA_SENSOR)
N16974595: R54.1 U3.B3(SCL) U8.D9(I2C_SCL_SENSOR)
N16976299: TP7.1 U3.C3(RSTZ) U8.D14(SENSOR_RSTZ)
N16999217: TP1.1 U3.C1(VD_IN) U8.A15(VSYNC_OUT)
N17053935: J2.27 R22.1 R66.1 R89.2 TP30.1
N17053942: J2.36 R108.1 U8.A7(VD_IN)
N17053952: J2.15 R82.2 TP27.1 U8.K2(PHASE_AUX)
N17053954: J2.13 R85.2 TP33.1 U8.L6(FE)
N17053974: J2.19 R81.2 TP31.1 U8.J2(HD/BD)
N17053976: J2.6 R75.2 TP34.1 U8.K5(OP_CLK)
N17053978: J2.34 R78.2 U8.G2(INT_OUT)
N17054000: J2.28 R87.2 U8.B1(SLEEP)
N17054002: J2.16 R88.2 TP32.1 U8.E1(SYSCLK_IN)
N17054004: J2.18 R77.2 TP24.1 U8.L3(OVERFLOW)
N17054006: J2.14 R84.2 TP28.1 U8.K6(OP_CS)
N17054019: J2.20 TP69.1 U8.K1(VD)
N17054026: J2.21 R68.2 TP19.1 U8.M1(READY)
N17066447: R16.1 R64.2 R109.2 TP15.1 U13.6A(PD3/FD[11])
N17070107: R78.1 U13.8G(PA0/INT0#)
N17070485: R87.1 U13.6C(PA7/FLAGD/SLCS#)
N17070872: R75.1 U13.2G(IFCLK)
N17072226: R51.1 TP9.1 U6.5(DI) U13.7A(PD1/FD[9])
N17072826: R60.1 TP22.1 U6.1(CSZ) U13.8A(PD0/FD[8])
N17127404: R12.2 R13.2 U6.3(WPZ)
N17127894: R52.1 U8.G12(BOOT_2)
N17140742: D3.4(ANODE2) R27.2
N17140744: D3.1(ANODE1) R28.2
N17173300: R51.2 U8.C1(TIC_DATA_1/ASDO)
N17173348: R60.2 U8.D2(TIC_CSOZ)
N17173438: R16.2 U8.J3(TIC_CEZ)
N17179888: R99.1 R101.1 U8.E15(ILLUM_MOD_FB) U8.F15(IO_MOD_REF)
N17181360: R100.1 U8.E16(COMP_MOD_FB)
N17181363: R102.1 U8.F16(COMP_MOD_REF)
N1677684126: R21.1 U11.G6(NRESPWRON/VSUPOUT)
